# Altium PCB nrf52832_qfax_dcdc.PcbDoc (part 2 of 2)
Units mm, origin at the board's own origin, x right, y up, seen from the top; angles counter-clockwise.
Board outline 144.15 x 112 mm, 2 copper layers (Top Layer, Bottom Layer), stack 1.671 mm thick; 131 components, 103 nets, 479 pads, 710 vias.
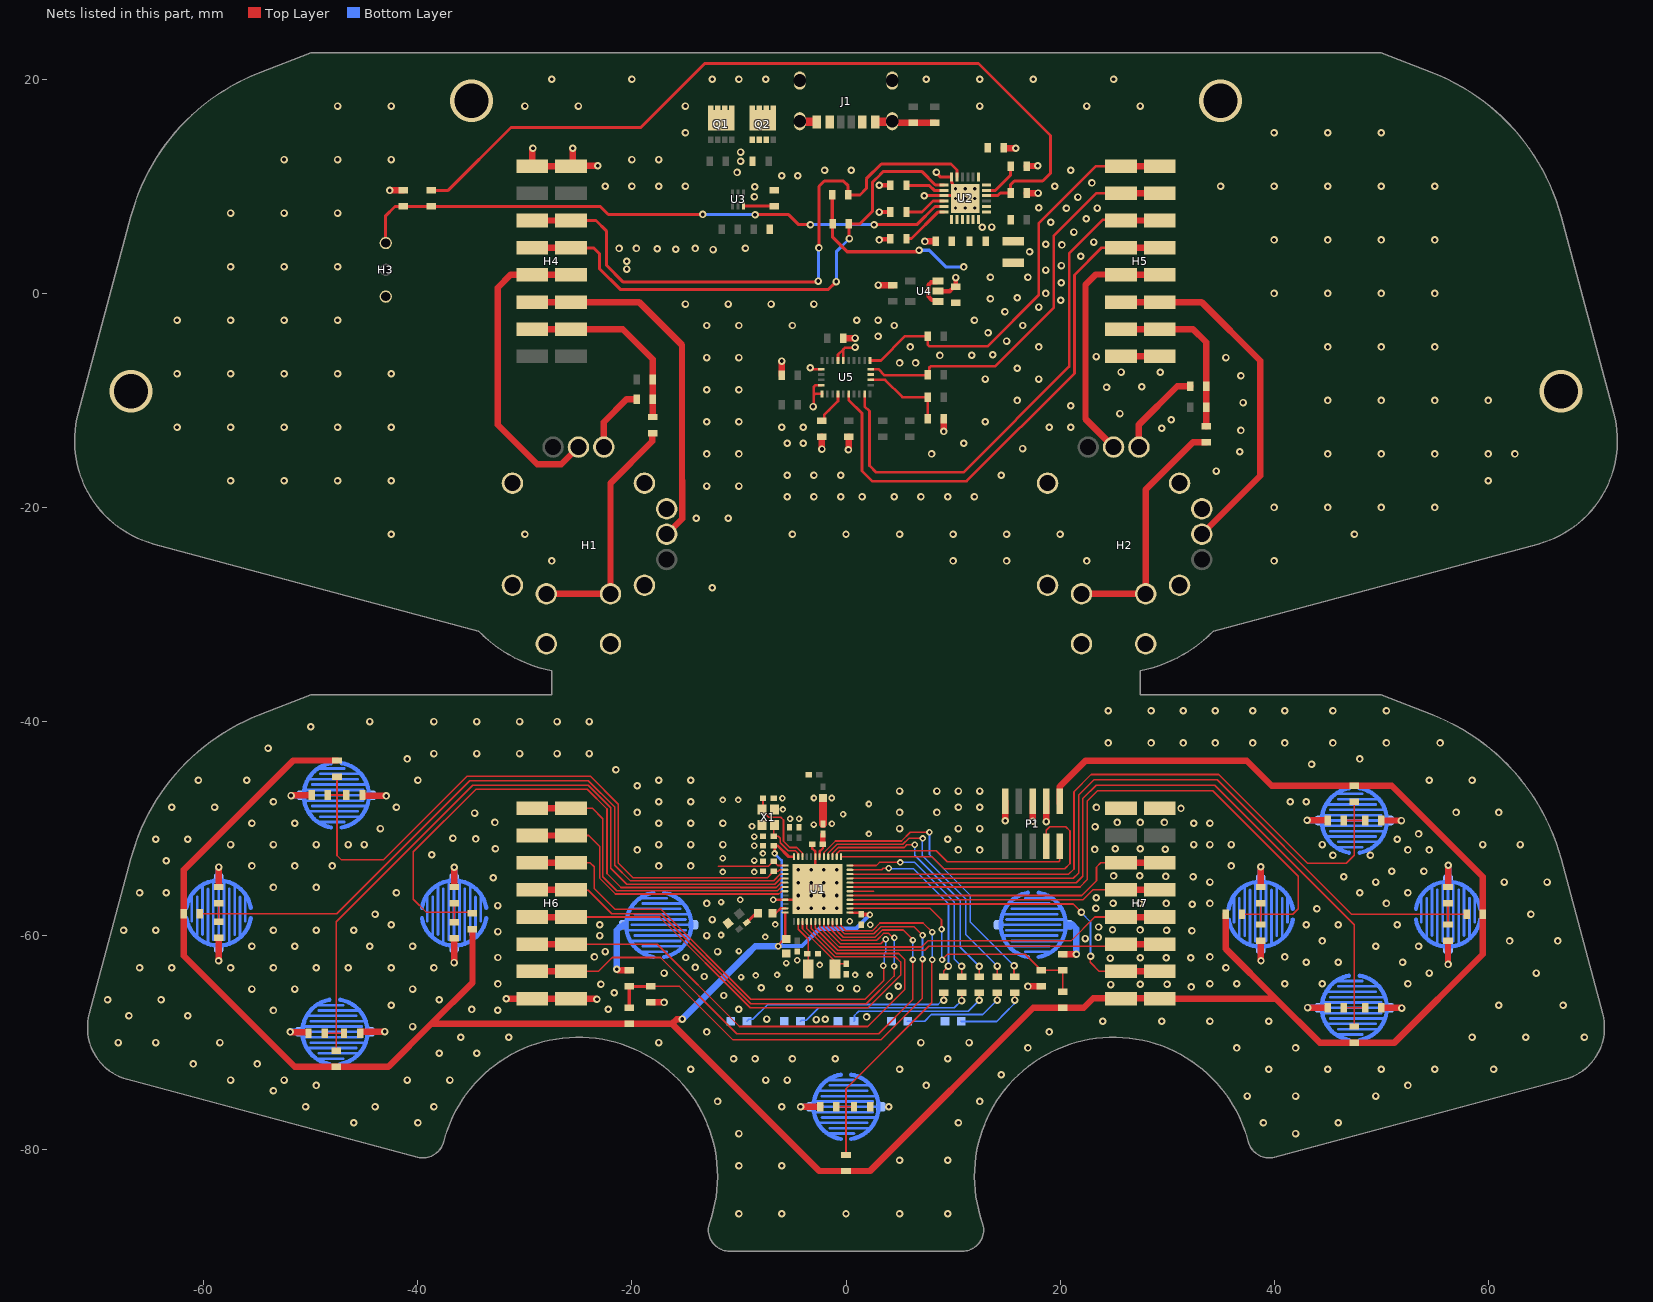
[diagram p2: the nets of this part, all layers, seen from the top]

## Via types
v1: diameter 0.7, hole 0.35, Top Layer to Bottom Layer, tented both sides, 623 vias
v2: diameter 0.61, hole 0.305, Top Layer to Bottom Layer, tented both sides, 58 vias
v3: diameter 0.66, hole 0.33, Top Layer to Bottom Layer, tented both sides, 16 vias
v4: diameter 0.4, hole 0.3, Top Layer to Bottom Layer, 9 vias
v5: diameter 4, hole 3.2, Top Layer to Bottom Layer, 4 vias

## Nets (pads, with @x,y where several pads share a name; then routed paths per layer and width w, separated by ;. In a path a pad name is that pad's centre, name@x,y a point inside that pad or via, vN(x,y) a via of type N, cw(c..) or ccw(c..) an arc to the next point about the centre after c; other vN are vias at no path point) (continued)
GND: C1.2 C2.2 C3.1 C4.2 C5.2 C6.1 C7.2 C8.2 C9.2 C10.1 C11.2 C12.2 C13.2 C14.2 C15.1 C16.1 C17.1 C18.1 C19.1 C20.1 C21.1 C22.1 C23.1 C24.1 C25.1 C26.1 C27.1 C28.1 C29.1 C32.1 C33.1 C34.1 C35.1 C37.1 C38.1 C39.1 C40.2 C41.1 C42.1 D1.2 D2.2 D3.2 D5.2 D7.2 H1.5 H2.5 H4.8 H5.1 H6.1 H7.8 J1.A12 J1.B12 J1.SHIELD P1.7 P1.8 P1.10 Q2.1 R36.1 R37.1 R41.1 R42.1 R43.1 R44.1 R46.1 R48.1 R55.1 SW1.1 SW2.1 SW3.1 SW4.1 SW5.1 SW6.1 SW7.1 SW8.1 SW9.1 SW10.1 SW11.1 U1.31 U1.45 U1.49 U2.6 U2.9 U2.17 U2.18 U2.25 U4.2 U5.2 U5.5 U5.6 U5.25 U5.26 X1.2 X1.4 | length 108.1
  Top Layer w0.229: v2@-6.801,-56.657 U1.45@-5.686,-56.657 U1.49@-4.861,-56.657 ; C3.1@-3.151,-51.458 -3.151,-51.871 -2.864,-52.158 U1.49@-2.864,-55.039
  Top Layer w0.25: C17.1@-58.625,-60.221 C17.1@-58.618,-60.214 ; v1(-3.35,-6.948) -3.228,-6.948 -3.101,-7.075 U5.2@-2.312,-7.075 ; v1(-3.075,-10.575) -3.025,-10.525 -3.025,-9.525 ; U5.5@-2.312,-8.575 -2.831,-8.575 -3.025,-8.769 -3.025,-9.525 ; U5.6@-2.25,-9.388 -2.888,-9.388 -3.025,-9.525 ; U5.26@-0.75,-6.263 -0.75,-5.725 -0.25,-5.225 ; U5.25@-0.25,-6.263 -0.25,-5.225 ; v1(0.85,-5.025) 0.8,-5.075 -0.1,-5.075 -0.25,-5.225
  Top Layer w0.28: v1(7.3,9.125) U2.9@9.164,9.125 U2.25@10.889,9.125 ; v1@8.575,11.125 8.841,10.859 U2.6@9.879,10.859 9.879,10.388 9.881,10.386 9.881,10.325 9.929,10.277 9.929,10.085 v4(10.239,9.775) U2.25@10.889,9.125 ; v4(11.139,8.875) U2.25@10.889,9.125
  Top Layer w0.4: v1(3.1,5) 3.15,5.05 4.1,5.05 R44.1@4.15,5.1 ; v1(3.1,7.6) R43.1@4.15,7.6 ; v1(3.1,10.1) R42.1@4.15,10.1 ; U4.2@8.6,0.211 9.7,0.211 10,0.511 10,0.536 10.1,0.636 C38.1@10.25,0.636 v1(10.25,1.475)
  Top Layer w0.6: v1(-58.625,-62.348) C17.1@-58.625,-60.214 ; C16.1@-45.403,-69.118 -45.403,-68.988 -43.118,-68.988 v1(-43.099,-68.969) ; C21.1@-45.177,-46.868 -45.177,-46.931 -42.969,-46.931 v1(-42.95,-46.95) ; v1(-42.625,9.625) -41.525,9.625 R41.1@-41.375,9.625 ; v1(-36.625,-62.525) -36.621,-62.522 -36.621,-60.24 C20.1@-36.618,-60.24 ; v1(-31.75,-65.9) -31.745,-65.895 -29.305,-65.895 H6.1@-29.3,-65.89 H6.1@-25.7,-65.89 -23.362,-65.89 -23.302,-65.95 v1(-23.275,-65.95) ; v1(-29.25,13.55) -29.25,13.523 -29.3,13.473 H4.8@-29.3,11.89 H4.8@-25.7,11.89 H4.8@-25.525,12.065 ; v1(-25.525,13.55) H4.8@-25.525,12.065 ; v1(-23.2,11.925) -23.217,11.907 -25.367,11.907 H4.8@-25.525,12.065 ; H1.5@-22.63,-14.36 -22.63,-12.03 -20.475,-9.875 C18.1@-19.6,-9.875 ; C24.1@-18.25,-66.25 v1(-17,-66.25) ; C41.1@-6,-7.65 v1@-6,-6.525 ; v1@-2.25,-14.4 C42.1@-2.25,-13.4 ; C40.2@-0.25,-4.175 v1@0.725,-4.175 ; v1(0.225,-14.6) 0.238,-14.587 0.238,-13.4 C39.1@0.25,-13.4 ; v1@3.075,0.775 C37.1@4.375,0.775 ; J1.SHIELD@4.32,16.08 4.45,15.95 R36.1@8.3,15.95 ; v1(7.375,4.85) 7.388,4.863 8.389,4.863 C34.1@8.389,4.875 ; v1@9.125,-12.725 R55.1@9.125,-11.7 ; C32.1@14.75,13.6 14.75,13.569 15.831,13.569 v1(15.85,13.55) ; v1(14.875,-49.275) 14.89,-49.26 P1.10@14.89,-47.463 ; C33.1@16.889,9.375 v1(17.95,9.375) ; C35.1@16.889,11.875 16.889,11.906 17.906,11.906 v1(17.925,11.925) ; v1(17,-64.75) C23.1@18.25,-64.75 ; P1.8@17.43,-47.463 17.43,-49.278 17.45,-49.298 v1(17.45,-49.325) ; v1(18.698,-49.347) 18.7,-49.346 P1.7@18.7,-47.463 ; v1(23.4,-48.025) v1@23.419,-48.044 ; H7.8@25.634,-48.044 H7.8@25.7,-48.11 ; H5.1@25.7,-5.89 H5.1@29.3,-5.89 ; H2.5@27.37,-14.36 27.37,-12.255 30.95,-8.675 C19.1@32.15,-8.675 ; H7.8@29.3,-48.11 H7.8@29.305,-48.105 ; C26.1@38.75,-60.465 38.763,-60.465 38.763,-62.338 v1(38.775,-62.35) ; C25.1@50,-66.75 50,-66.763 51.912,-66.763 v1(51.925,-66.775) ; C28.1@50,-49.25 v1(51.9,-49.25) ; v1(56.25,-62.7) C27.1@56.25,-60.465
  Top Layer w0.8: J1.SHIELD@-4.32,16.08 -4.28,16.04 -2.75,16.04 J1.A12@-2.75,16 ; J1.B12@2.75,16 2.75,16.04 4.28,16.04 J1.SHIELD@4.32,16.08
  Bottom Layer w0.6: SW2.1@-58.622,-61.148 SW2.1@-58.618,-61.144 ; SW1.1@-44.5,-69 SW1.1@-44.488,-68.987 ; SW4.1@-44.368,-46.894 SW4.1@-44.352,-46.909 ; SW3.1@-36.634,-61.16 SW3.1@-36.618,-61.144 ; SW10.1@56.237,-61.263 SW10.1@56.25,-61.25
  other v1: -10,-86 -6,-86 0,-86 5,-86 9.5,-86 -10,-81.5 -6,-81.5 5,-81 9.5,-81 -10,-78.5 42,-78.5 -46,-77.5 -40,-77.5 10.5,-77.5 39,-77.5 46,-77.5 -50.5,-76 -44,-76 -38.5,-76 -6,-76 4,-76 -12,-75.5 12.5,-75.5 37.5,-75 42,-75 49.5,-75 -53.5,-74.5 -49.5,-74 7.5,-74 52.5,-74 -57.5,-73.5 -52.5,-73.5 -41,-73.5 -37,-73.5 -7.5,-73.5 -5.5,-73.5 14.5,-73 -14.5,-72.5 5,-72.5 39.5,-72.5 45,-72.5 50,-72.5 55,-72.5 60.5,-72.5 -61,-72 -55,-72 -10.5,-71.5 -8.5,-71.5 -5,-71.5 -1,-71.5 9.5,-71.5 -38,-71 -34.5,-71 17,-70.5 36.5,-70.5 42,-70.5 -68,-70 -64.5,-70 -58.5,-70 -17.5,-70 7,-70 11.5,-70 -36,-69.5 -31.5,-69.5 58.5,-69.5 63.5,-69.5 69,-69.5 -13,-69 19,-69 -40.5,-68.5 24,-68 29.5,-68 34,-68 39.5,-68 -2.775,-67.85 -1.95,-67.825 -7.4,-67.8 1.925,-67.6 -67,-67.5 -61.5,-67.5 -53.5,-67 -32.55,-66.975 -34.975,-66.9 -22.225,-66.875 -10.025,-66.875 -42.5,-66.5 61,-66.5 67,-66.5 -69,-66 -64,-66 -38,-66 4.05,-65.65 -11.425,-65.6 -21.65,-65.35 -55.5,-65 -51.5,-65 -40.5,-65 -3.45,-64.975 1.025,-64.95 -5.3,-64.925 -0.55,-64.9 -7.925,-64.875 32.25,-64.8 4.875,-64.725 24.725,-64.575 -22.9,-64.55 27.5,-64.55 30,-64.55 -32.525,-64.525 34,-64.5 36.5,-64.5 41,-64.5 44.5,-64.5 52.5,-64.5 -13.25,-63.825 -17,-63.5 54.5,-63.5 64.5,-63.5 -66,-63 -63,-63 -57.5,-63 -53.5,-63 -49.5,-63 -46.5,-63 -42.5,-63 -38.5,-63 35.5,-63 -14.075,-62.975 43,-62.5 46,-62.5 52,-62.5 24.7,-62.1 27.5,-62.075 29.925,-62.075 32.2,-62.075 -32.525,-62.05 -14.975,-62.05 -23.5,-62 34,-62 41,-62 -22.5,-61.5 -12,-61.5 -55.5,-61 -51.5,-61 -44.5,-61 -40.5,-61 49.5,-61 53.5,-61 44.5,-60.5 62,-60.5 66.5,-60.5 22.35,-60.275 23.575,-60.175 -23,-60 -13,-60 -32.525,-59.625 32.325,-59.55 -67.5,-59.5 -64.5,-59.5 -53.5,-59.5 -49.5,-59.5 -46,-59.5 29.95,-59.5 27.475,-59.475 24.9,-59.45 23.6,-59.2 -42.5,-59 -23,-59 43,-59 46,-59 51.5,-59 -12.5,-58.5 -44,-58 64,-58 44,-57.5 23.35,-57.45 -32.55,-57.2 32.35,-57.075 -13,-57 29.925,-57 34,-57 50.5,-57 24.95,-56.975 27.45,-56.975 23.375,-56.475 -66,-56 -63.5,-56 -42,-56 48,-56 52.5,-56 -53.5,-55.5 -49.5,-55.5 34,-55 49.5,-55 61.5,-55 65.5,-55 -32.95,-54.6 32.425,-54.5 46.5,-54.5 29.875,-54.475 25,-54.425 27.45,-54.4 51,-54 54,-54 -55.5,-53.5 -51.5,-53.5 -48,-53.5 -17.5,-53.5 -14.5,-53.5 36,-53.5 -63.5,-53 45.5,-52.5 49,-52.5 -38.7,-52.45 -19.5,-52 10.5,-52 12.5,-52 52.5,-52 54.5,-52 23.25,-51.95 29.825,-51.925 -32.75,-51.9 25.15,-51.9 27.5,-51.9 -57.5,-51.5 -53.5,-51.5 -49.5,-51.5 -46.5,-51.5 -45,-51.5 -17.5,-51.5 -14.5,-51.5 -11.5,-51.5 32.5,-51.5 34,-51.5 36,-51.5 44.5,-51.5 59.5,-51.5 63,-51.5 -64.5,-51 -61.5,-51 9.5,-51 51.5,-51 -34.6,-50.975 -36.725,-50.9 53.5,-50.5 -43.5,-50 5,-50 10.5,-50 12.5,-50 23.275,-49.825 -55.5,-49.5 -51.5,-49.5 -17.5,-49.5 -14.5,-49.5 -11.5,-49.5 32.5,-49.5 34,-49.5 -32.8,-49.425 25.35,-49.425 27.5,-49.425 29.75,-49.425 -34.7,-48.55 -19.5,-48.5 5,-48.5 8.5,-48.5 57,-48.5 61,-48.5 31.3,-48.125 -63,-48 -59,-48 -42,-48 10.5,-48 12.5,-48 -53.5,-47.5 -17.5,-47.5 -14.5,-47.5 41.5,-47.5 43,-47.5 5,-46.5 8.5,-46.5 10.5,-46.5 12.5,-46.5 -19.5,-46 -60.5,-45.5 -56,-45.5 -40,-45.5 -17.5,-45.5 -14.5,-45.5 54.5,-45.5 58.5,-45.5 -21.5,-44.5 43.5,-44 -41,-43.5 48,-43.5 -38.5,-43 -34.5,-43 -30.5,-43 -27,-43 -24,-43 -54,-42.5 24.5,-42 28.5,-42 31.5,-42 34.5,-42 38,-42 41,-42 45.5,-42 50.5,-42 55.5,-42 -50,-40.5 -44.5,-40 -38.5,-40 -34.5,-40 -30.5,-40 -27,-40 -24,-40 24.5,-39 28.5,-39 31.5,-39 34.5,-39 38,-39 41,-39 45.5,-39 50.5,-39 -12.5,-27.5 -27.5,-25 10,-25 15,-25 22.5,-25 40,-25 -42.5,-22.5 -30,-22.5 -5,-22.5 0,-22.5 5,-22.5 10,-22.5 15,-22.5 20,-22.5 47.5,-22.5 -14,-21 -11,-21 40,-20 45,-20 50,-20 55,-20 -5.5,-19 -3,-19 -0.5,-19 1.5,-19 4.5,-19 7,-19 9.5,-19 12,-19 -13,-18 -10,-18 -57.5,-17.5 -52.5,-17.5 -47.5,-17.5 -42.5,-17.5 60,-17.5 -5.5,-17 -3,-17 -0.5,-17 14.5,-17 34.6,-16.6 -13,-15 -10,-15 8,-15 45,-15 50,-15 55,-15 60,-15 62.5,-15 36.8,-14.8 -2.25,-14.55 16.5,-14.5 -5.5,-14 -4,-14 11,-14 9.125,-12.9 36.9,-12.8 29.5,-12.6 -62.5,-12.5 -57.5,-12.5 -52.5,-12.5 -47.5,-12.5 -42.5,-12.5 -6,-12.5 -4,-12.5 19,-12.5 21,-12.5 -13,-12 -10,-12 13,-12 30.4,-11.8 25.6,-11.225 21,-10.5 37.1,-10.2 16,-10 45,-10 50,-10 55,-10 60,-10 -13,-9 -10,-9 24.35,-8.775 27.625,-8.725 13,-8 18,-8 36.9,-7.7 -62.5,-7.5 -57.5,-7.5 -52.5,-7.5 -47.5,-7.5 -42.5,-7.5 29.35,-7.375 25.7,-7.35 16,-7 5,-6.5 6.5,-6.5 -6,-6.325 -13,-6 -10,-6 35.5,-6 23.375,-5.9 8.775,-5.8 11.75,-5.775 13.7,-5.725 6,-5 18,-5 45,-5 50,-5 55,-5 15,-4.45 0.85,-4.175 3,-4 13.275,-3.675 -13,-3 -10,-3 -5,-3 4.5,-3 16.525,-3 -62.5,-2.5 -57.5,-2.5 -52.5,-2.5 -47.5,-2.5 1,-2.5 3,-2.5 12,-2.5 14.85,-1.725 18,-1.275 -15,-1 -11,-1 -7,-1 -3,-1 20.075,-0.65 13.5,-0.5 16,-0.4 18.675,0 40,0 45,0 50,0 55,0 3.025,0.775 20.1,1 13.5,1.5 17,1.5 18.675,2.175 -57.5,2.5 -52.5,2.5 -47.5,2.5 20.125,2.6 21.925,3.475 17.15,3.9 -12.425,4.1 -15.9,4.125 -17.625,4.175 -21.2,4.2 -19.575,4.2 -14.075,4.2 -9.4,4.225 20.175,4.525 18.675,4.6 23.15,4.8 40,5 45,5 50,5 55,5 21.3,5.725 12.725,6.175 13.625,6.2 19.125,6.65 22.45,6.975 -57.5,7.5 -52.5,7.5 -47.5,7.5 20.6,7.95 23.475,7.975 18,8 21.675,9 -8.55,9.025 -8.525,9.975 -22.5,10 -20,10 -17.5,10 -15,10 19.5,10 35,10 40,10 45,10 50,10 55,10 22.975,10.325 -6,11 -4.5,11 -10.175,11.3 8.45,11.325 -2,11.5 0.5,11.5 21,11.5 -9.85,12.35 -52.5,12.5 -47.5,12.5 -42.5,12.5 -20,12.5 -17.5,12.5 -9.85,13.2 -15,15 40,15 45,15 50,15 -47.5,17.5 -42.5,17.5 -30,17.5 -25,17.5 -15,17.5 12.5,17.5 22.5,17.5 27.5,17.5 -27.5,20 -20,20 -12.5,20 -10,20 -7.5,20 7.5,20 12.5,20 17.5,20 25,20
  other v2: -9.8,-63.875 -8.425,-63.725 -6.446,-63.683 0.844,-63.683 2.241,-63.683 -2.458,-62.744 -5.582,-62.566 -4.566,-62.312 -10.002,-61.448 -7.55,-60.125 -11.677,-59.948 2.267,-58.984 -6.603,-58.959 0.339,-58.654 -11.675,-56.875 -9.875,-56.657 -6.801,-56.648 -11.526,-54.057 -8.579,-54.057 -8.579,-52.99 -11.526,-52.787 -7.759,-52.33 -8.579,-51.618 -8.579,-50.755 2.14,-50.501 -8.783,-49.79 -3.011,-49.633 -1.315,-49.561 -5.226,-49.078 -4.388,-49.078 -0.273,-48.672 -5.892,-48.215 2.14,-47.707 -11.526,-47.326 -10.078,-47.326 -5.938,-47.173 -2.998,-47.148 -1.321,-47.148
  other v3: -4.461,-57.457 -3.261,-57.457 -2.061,-57.457 -0.861,-57.457 -4.461,-56.257 -3.261,-56.257 -2.061,-56.257 -0.861,-56.257 -4.461,-55.057 -3.261,-55.057 -2.061,-55.057 -0.861,-55.057 -4.461,-53.857 -3.261,-53.857 -2.061,-53.857 -0.861,-53.857
  other v4: 10.239,7.975 11.139,7.975 12.039,7.975 10.239,8.875 12.039,8.875 11.139,9.775 12.039,9.775
  other v5: -66.797,-9.141 66.797,-9.141 -35,18 35,18
H_CSN: U5.18
H_INTN: H5.6 U5.14 | length 50.3
  Top Layer w0.25: U5.14@1.75,-9.388 1.75,-10.55 2.2,-11 2.2,-16.1 2.825,-16.725 10.975,-16.725 20.85,-6.85 20.85,3.725 24.016,6.891 25.619,6.891 H5.6@25.7,6.81
  Top Layer w0.6: H5.6@25.7,6.81 H5.6@29.3,6.81
H_SCL: H5.7 R51.1 U5.19 | length 38.5
  Top Layer w0.25: U5.19@2.312,-7.075 2.548,-7.075 3.025,-7.075 3.6,-7.65 7.6,-7.65 7.777,-7.473 7.777,-6.946 7.923,-6.8 13.95,-6.8 19.4,-1.35 19.4,5.375 23.375,9.35 H5.7@25.7,9.35
  Top Layer w0.6: H5.7@25.7,9.35 H5.7@29.3,9.35
H_SDA: H5.8 R50.1 U5.20 | length 39.8
  Top Layer w0.25: U5.20@2.25,-6.263 3.262,-6.263 5.525,-4 R50.1@7.65,-4 7.65,-4.804 7.796,-4.95 13.225,-4.95 18,-0.175 18,6.525 23.365,11.89 H5.8@25.7,11.89
  Top Layer w0.6: H5.8@25.7,11.89 H5.8@29.3,11.89
ICHG: R43.2 U2.10 | length 3.9
  Top Layer w0.28: R43.2@5.65,7.6 7.1,7.6 8.125,8.625 U2.10@9.164,8.625
ILIM: R42.2 U2.8 | length 3.7
  Top Layer w0.28: R42.2@5.65,10.1 7.764,10.1 8.239,9.625 U2.8@9.164,9.625
L_SW: C18.2 H4.2 R6.1 R8.1 | length 17.8
  Top Layer w0.6: H4.2@-29.3,-3.35 H4.2@-25.7,-3.35 -20.85,-3.35 -18.05,-6.15 -18.05,-7.724 R6.1@-18.05,-8.05 C18.2@-18.05,-9.875 R8.1@-18.05,-11.55
L_X: H1.2 H4.4 | length 30
  Top Layer w0.6: H4.4@-25.7,1.73 H4.4@-29.3,1.73 -31.345,1.73 -32.55,0.525 -32.55,-12.275 -28.85,-15.975 -26.615,-15.975 H1.2@-25.158,-14.518 ; H1.2@-25.316,-14.36 H1.2@-25,-14.36
L_Y: H1.3 H4.3 | length 33.9
  Top Layer w0.6: H4.3@-29.3,-0.81 H4.3@-25.7,-0.81 -19.34,-0.81 -15.325,-4.825 -15.325,-17.5 -15.303,-17.522 -15.303,-21.048 H1.3@-16.755,-22.5
NetC3_2: C3.2 L1.1 U1.30 | length 2.2
  Top Layer w0.229: U1.30@-2.461,-52.632 -2.461,-52.157 -2.151,-51.847 C3.2@-2.151,-51.458
  Top Layer w0.508: C3.2@-2.156,-51.466 L1.1@-2.156,-50.569
NetC35_2: C35.2 U2.23 | length 3.7
  Top Layer w0.28: U2.23@13.114,9.625 13.964,9.625 15.354,11.015 15.354,11.84 C35.2@15.389,11.875
NetC42_2: C42.2 U5.9 | length 3.2
  Top Layer w0.25: C42.2@-2.25,-11.9 -2.221,-11.9 -2.046,-11.725 -2.046,-11.372 -1.575,-10.9 -0.75,-10.075 U5.9@-0.75,-9.388
NetD1_1: D1.1 R24.2 | length 6.7
  Top Layer w0.152: v1(15.775,-66.025) 15.775,-65.4 15.8,-65.375 R24.2@15.775,-65.35
  Bottom Layer w0.152: D1.1@10.75,-68 10.775,-68.025 14.075,-68.025 14.887,-67.213 15.698,-66.402 15.698,-66.102 v1(15.775,-66.025)
NetD2_1: D2.1 R25.2 | length 9.9
  Top Layer w0.152: v1(14.125,-66.025) R25.2@14.125,-65.35
  Bottom Layer w0.152: D2.1@5.75,-68 7.35,-68 7.978,-67.372 12.778,-67.372 v1(14.125,-66.025)
NetD3_1: D3.1 R28.2 | length 13.5
  Top Layer w0.152: v1(12.45,-66.05) R28.2@12.45,-65.35
  Bottom Layer w0.152: D3.1@0.75,-68 0.789,-67.961 0.789,-67.461 1.183,-67.067 11.433,-67.067 v1(12.45,-66.05)
NetD5_1: D5.1 R32.2 | length 16.6
  Top Layer w0.152: v1(10.8,-66.075) R32.2@10.8,-65.35
  Bottom Layer w0.152: D5.1@-4.25,-68 -4.161,-67.911 -3.711,-67.911 -2.55,-66.75 10.125,-66.75 v1(10.8,-66.075)
NetD7_1: D7.1 R34.2 | length 19.9
  Top Layer w0.152: v1(9.125,-66.05) R34.2@9.125,-65.375
  Top Layer w0.3: R34.2@9.125,-65.375 R34.2@9.15,-65.35
  Bottom Layer w0.152: D7.1@-9.25,-68 -9.075,-67.825 -8.7,-67.825 -7.325,-66.45 -0.944,-66.45 -0.94,-66.446 8.591,-66.446 8.987,-66.05 v1(9.125,-66.05)
NetH1_4: H1.4 R8.2 | length 22.7
  Top Layer w0.6: H1.4@-28,-28.07 H1.4@-22,-28.07 -22,-17.725 -18.099,-13.824 -18.099,-13.05 R8.2@-18.05,-13.05
NetH2_4: H2.4 R9.2 | length 23.2
  Top Layer w0.6: H2.4@22,-28.07 27.705,-28.07 27.725,-28.05 27.745,-28.07 H2.4@28,-28.07 28,-18.325 32.425,-13.9 R9.2@33.65,-13.9
NetL2_1: L2.1 L3.2 | length 1.4
  Top Layer w0.279: L3.2@-9.262,-58.78 -8.399,-57.918 L2.1@-8.218,-57.918
NetL2_2: L2.2 U1.47 | length 1.4
  Top Layer w0.229: L2.2@-6.868,-57.918 -6.566,-57.918 -6.106,-57.457 U1.47@-5.686,-57.457
NetQ1_5: Q1.5 Q2.5
NetR4_1: R4.1 SW1.2 | length 2.7
  Top Layer w0.6: v1(-51.925,-69) -51.906,-69.019 -50.222,-69.019 R4.1@-50.222,-69.118
  Bottom Layer w0.6: v1(-51.925,-69) SW1.2@-51,-69
NetR5_1: R5.1 SW2.2 | length 2.9
  Top Layer w0.6: R5.1@-58.618,-55.464 -58.609,-55.464 -58.609,-53.609 v1(-58.6,-53.6)
  Bottom Layer w0.6: SW2.2@-58.618,-54.644 -58.609,-54.635 -58.609,-53.609 v1(-58.6,-53.6)
NetR12_1: R12.1 SW3.2 | length 2.9
  Top Layer w0.6: R12.1@-36.618,-55.463 -36.609,-55.463 -36.609,-53.634 v1(-36.6,-53.625)
  Bottom Layer w0.6: SW3.2@-36.618,-54.644 -36.609,-54.635 -36.609,-53.634 v1(-36.6,-53.625)
NetR13_1: R13.1 SW4.2 | length 3
  Top Layer w0.6: v1(-51.85,-46.925) -51.831,-46.906 -49.92,-46.906 R13.1@-49.92,-46.868
  Bottom Layer w0.6: v1(-51.85,-46.925) -51.835,-46.909 -50.883,-46.909 SW4.2@-50.868,-46.894
NetR17_1: R17.1 SW5.2 | length 2.8
  Top Layer w0.6: v1(-4.25,-76) R17.1@-2.411,-76
  Bottom Layer w0.6: v1(-4.25,-76) SW5.2@-3.25,-76
NetR18_1: R18.1 SW6.2 | length 4.8
  Top Layer w0.6: R18.1@20.25,-61.75 v1(21.525,-61.75)
  Bottom Layer w0.6: SW6.2@20.9,-59.15 SW6.2@20.75,-59 21.174,-59 21.525,-59.351 v1(21.525,-61.75)
NetR19_1: R19.1 SW7.2 | length 5.7
  Top Layer w0.6: v1(-21.425,-63.15) -21.398,-63.15 -21.298,-63.25 R19.1@-20.25,-63.25
  Bottom Layer w0.6: v1(-21.425,-63.15) -21.425,-59.501 -21.074,-59.15 -20.9,-59.15 SW7.2@-20.75,-59
NetR22_1: R22.1 SW8.2 | length 3
  Top Layer w0.6: v1(43.125,-66.725) 43.138,-66.738 45,-66.738 R22.1@45,-66.75
  Bottom Layer w0.6: v1(43.125,-66.725) 43.138,-66.738 44.238,-66.738 SW8.2@44.25,-66.75
NetR23_1: R23.1 SW9.2 | length 3.1
  Top Layer w0.6: R23.1@38.75,-55.465 v1(38.75,-53.575)
  Bottom Layer w0.6: SW9.2@38.75,-54.75 v1(38.75,-53.575)
NetR30_1: R30.1 SW10.2 | length 3.4
  Top Layer w0.6: R30.1@56.25,-55.465 56.262,-55.465 56.262,-53.438 v1(56.275,-53.425)
  Bottom Layer w0.6: SW10.2@56.25,-54.75 56.262,-54.738 56.262,-53.438 v1(56.275,-53.425)
NetR31_1: R31.1 SW11.2 | length 3.1
  Top Layer w0.6: v1(43.075,-49.225) 43.088,-49.237 45,-49.237 R31.1@45,-49.25
  Bottom Layer w0.6: v1(43.075,-49.225) 43.088,-49.238 44.238,-49.238 SW11.2@44.25,-49.25
NRST: H5.5 U5.11 | length 50.4
  Top Layer w0.25: U5.11@0.25,-9.388 0.25,-9.95 1.5,-11.2 1.5,-16.6 2.45,-17.55 11.275,-17.55 21.35,-7.475 21.35,1.725 23.895,4.27 H5.5@25.7,4.27
  Top Layer w0.6: H5.5@25.7,4.27 H5.5@29.3,4.27
P0.00/XL1: C11.1 U1.2 X2.1 | length 4.8
  Top Layer w0.152: U1.2@-4.461,-58.682 -4.461,-59.409 -3.53,-60.34 X2.1@-3.53,-63.125
P0.01/XL2: C12.1 U1.3 X2.2 | length 7
  Top Layer w0.152: U1.3@-4.061,-58.682 -4.061,-59.378 -1.03,-62.409 X2.2@-1.03,-63.125 -0.53,-62.625 C12.1@0.031,-62.625
P0.02/AIN0: H6.4 U1.4 | length 51.1
  Top Layer w0.152: H6.4@-24.905,-58.27 -17.43,-58.27 -8.95,-66.75 2.05,-66.75 5.1,-63.7 5.1,-62.475 4.607,-61.982 2.567,-61.982 -1.025,-61.982 -3.661,-59.346 U1.4@-3.661,-58.682
  Top Layer w0.6: H6.4@-29.3,-58.27 H6.4@-25.7,-58.27 H6.4@-24.905,-58.27
P0.03/AIN1: H6.3 U1.5 | length 52.8
  Top Layer w0.152: H6.3@-25.187,-60.81 -17.64,-60.81 -9.95,-68.5 2.025,-68.5 5.475,-65.05 5.475,-62.225 4.926,-61.676 2.567,-61.676 -0.899,-61.676 -3.261,-59.314 U1.5@-3.261,-58.682
  Top Layer w0.6: H6.3@-29.3,-60.81 H6.3@-25.7,-60.81 H6.3@-25.187,-60.81
P0.04/AIN2: H7.3 U1.6 | length 33.9
  Top Layer w0.152: U1.6@-2.861,-58.682 -2.861,-59.282 -0.772,-61.371 2.567,-61.371 7.354,-61.371 7.725,-61 25.51,-61 H7.3@25.7,-60.81
  Top Layer w0.6: H7.3@25.7,-60.81 H7.3@29.3,-60.81
P0.05/AIN3: H7.4 U1.7 | length 34.2
  Top Layer w0.152: U1.7@-2.461,-58.682 -2.461,-59.248 -0.645,-61.063 2.638,-61.063 7.087,-61.063 7.65,-60.5 21.015,-60.5 23.245,-58.27 H7.4@25.7,-58.27
  Top Layer w0.6: H7.4@25.7,-58.27 H7.4@29.3,-58.27
P0.06: H6.6 U1.8 | length 51.1
  Top Layer w0.152: H6.6@-25.7,-53.19 -23.91,-53.19 -23.525,-53.575 -23.525,-55.6 -21.575,-57.55 -17.295,-57.55 -8.895,-65.95 1.775,-65.95 3.525,-64.2 3.525,-62.875 v2(3.475,-62.825) ; U1.8@-2.061,-58.682 -2.061,-59.216 -0.519,-60.759 2.567,-60.759 3.246,-60.759 3.666,-60.339 v2(3.714,-60.339)
  Top Layer w0.6: H6.6@-29.3,-53.19 H6.6@-25.7,-53.19
  Bottom Layer w0.152: v2(3.475,-62.825) 3.563,-62.737 3.563,-61.712 3.714,-61.561 v2(3.714,-60.339)
P0.07: H6.5 U1.9 | length 50.5
  Top Layer w0.152: H6.5@-25.7,-55.73 -25.661,-55.769 -24.081,-55.769 -21.884,-57.966 -17.309,-57.966 -8.9,-66.375 1.9,-66.375 4.491,-63.784 v2(4.491,-62.859) ; U1.9@-1.661,-58.682 -1.661,-59.185 -0.393,-60.454 2.844,-60.454 2.92,-60.378 3.498,-59.8 4.001,-59.8 4.401,-60.2 v2(4.525,-60.2)
  Top Layer w0.6: H6.5@-29.3,-55.73 H6.5@-25.7,-55.73
  Bottom Layer w0.152: v2(4.491,-62.859) v2@4.491,-60.218
P0.08: H6.2 U1.10 | length 54.9
  Top Layer w0.152: H6.2@-25.7,-63.35 -23.15,-63.35 -21.85,-62.05 -17.325,-62.05 -10.204,-69.171 3.054,-69.171 6.25,-65.975 v2(6.25,-62.238) v2@6.25,-62.219 ; U1.10@-1.261,-58.682 -1.261,-59.154 -0.266,-60.149 2.718,-60.149 3.388,-59.48 5.355,-59.48 5.778,-59.903 6.25,-60.375 v2(6.25,-60.425)
  Top Layer w0.6: H6.2@-29.3,-63.35 H6.2@-25.7,-63.35
  Bottom Layer w0.152: v2(6.25,-62.238) v2@6.25,-60.5
P0.09: C24.2 R16.1 R19.2 U1.11 | length 48.2
  Top Layer w0.152: C24.2@-18.25,-64.75 -15.55,-64.75 -10.55,-69.75 3.25,-69.75 7.125,-65.875 v2@7.125,-62.182 ; U1.11@-0.861,-58.682 -0.861,-59.123 -0.14,-59.844 2.592,-59.844 3.261,-59.175 5.267,-59.175 6.35,-59.175 v2(7.15,-59.975)
  Top Layer w0.3: R16.1@-20.25,-66.75 R19.2@-20.25,-64.75 C24.2@-18.25,-64.75
  Bottom Layer w0.152: v2@7.125,-60.125 7.15,-60.15 v2(7.15,-62.2)
P0.10: C22.2 R14.1 R17.2 U1.12 | length 35.4
  Top Layer w0.152: R17.2@-0.911,-76 0,-76 ; U1.12@-0.461,-58.682 -0.461,-59.092 -0.014,-59.539 2.461,-59.539 2.482,-59.518 2.488,-59.518 3.18,-58.825 5.222,-58.825 7.2,-58.825 v2(8.05,-59.675) ; R14.1@0,-80.5 0,-76 ; C22.2@0.75,-76 0,-76 ; v2@8.025,-62.268 8.025,-66.275 0,-74.3 0,-76
  Bottom Layer w0.152: v2(8.05,-62.25) v2@8.05,-59.8
P0.11: C23.2 R15.1 R18.2 U1.14 | length 26.9
  Top Layer w0.152: U1.14@0.364,-57.457 2.571,-57.457 7.857,-57.457 8.344,-57.944 8.763,-58.363 8.925,-58.526 v2(8.925,-59.4) ; v2(8.975,-62.25) 9.475,-61.75 16.75,-61.75 C23.2@18.25,-63.25 18.4,-63.25 R18.2@20.25,-63.25 R15.1@20.25,-65.25
  Bottom Layer w0.152: v2(8.925,-59.4) 8.95,-59.425 8.95,-62.225 v2(8.975,-62.25)
P0.12: H7.2 U1.15 | length 34
  Top Layer w0.152: U1.15@0.364,-57.057 2.571,-57.057 21.232,-57.057 v1(22,-57.825) ; v1@22.8,-61.75 22.825,-61.775 22.825,-62.5 23.675,-63.35 H7.2@25.7,-63.35
  Top Layer w0.6: H7.2@25.7,-63.35 H7.2@29.3,-63.35
  Bottom Layer w0.152: v1@21.975,-57.85 22.85,-58.725 v1(22.85,-61.925)
P0.13: H7.5 U1.16 | length 29.3
  Top Layer w0.152: U1.16@0.364,-56.657 2.571,-56.657 22.143,-56.657 23.07,-55.73 H7.5@25.7,-55.73
  Top Layer w0.6: H7.5@25.7,-55.73 H7.5@29.3,-55.73
P0.14: H7.6 U1.17 | length 31
  Top Layer w0.152: U1.17@0.364,-56.257 2.571,-56.257 22.018,-56.257 23.4,-54.875 23.4,-53.6 23.81,-53.19 H7.6@25.7,-53.19
  Top Layer w0.6: H7.6@25.7,-53.19 H7.6@29.3,-53.19
P0.15: U1.18 | length 2.2
  Top Layer w0.152: U1.18@0.364,-55.857 2.571,-55.857
P0.16: C26.2 R21.1 R23.2 U1.19 | length 63.7
  Top Layer w0.152: U1.19@0.364,-55.457 2.571,-55.457 21.863,-55.457 22.525,-54.795 22.525,-47.45 23.5,-46.475 34.275,-46.475 42.25,-54.45 42.25,-57.5 41.75,-58 38.75,-58 ; R21.1@37,-58 38.75,-58 ; C26.2@38.75,-58.965 38.75,-58 ; R23.2@38.75,-56.965 38.75,-58
P0.17: C25.2 R20.1 R22.2 U1.20 | length 72.1
  Top Layer w0.152: U1.20@0.364,-55.057 2.571,-55.057 21.518,-55.057 22.125,-54.45 22.125,-47.2 23.375,-45.95 34.45,-45.95 47.5,-59 47.5,-66.75 ; R22.2@46.5,-66.75 47.5,-66.75 ; R20.1@47.5,-68.5 47.5,-66.75 ; C25.2@48.5,-66.75 47.5,-66.75
P0.18: C27.2 R26.1 R30.2 U1.21 | length 72.9
  Top Layer w0.152: U1.21@0.364,-54.657 2.571,-54.657 21.243,-54.657 21.75,-54.15 21.75,-46.875 23.175,-45.45 34.675,-45.45 47.225,-58 56.25,-58 ; C27.2@56.25,-58.965 56.25,-58 ; R30.2@56.25,-56.965 56.25,-58 ; R26.1@58,-58 56.25,-58
P0.19: C28.2 R27.1 R31.2 U1.22 | length 66
  Top Layer w0.152: U1.22@0.364,-54.257 2.571,-54.257 20.818,-54.257 21.3,-53.775 21.3,-46.55 22.9,-44.95 34.825,-44.95 43.125,-53.25 46.75,-53.25 47.5,-52.5 47.5,-49.25 ; R31.2@46.5,-49.25 47.5,-49.25 ; R27.1@47.5,-47.5 47.5,-49.25 ; C28.2@48.5,-49.25 47.5,-49.25
P0.20: R34.1 U1.23 | length 17.7
  Top Layer w0.152: U1.23@0.364,-53.857 2.571,-53.857 3.334,-53.857 3.467,-53.724 3.976,-53.724 v2(4,-53.7) ; R34.1@9.15,-63.85 9.15,-63.275 v1(9.575,-62.85)
  Bottom Layer w0.152: v2(4,-53.7) 4.049,-53.749 4.533,-53.749 4.534,-53.75 6.3,-53.75 9.575,-57.025 v1(9.575,-62.85)
P0.21: R32.1 U1.24 | length 18.7
  Top Layer w0.152: U1.24@0.364,-53.457 2.571,-53.457 2.843,-53.457 3.134,-53.166 v2(5.075,-53.166) ; R32.1@10.8,-63.85 v1(10.8,-62.875)
  Bottom Layer w0.152: v2(5.075,-53.166) 6.416,-53.166 10.1,-56.85 10.1,-62.175 v1(10.8,-62.875)
P0.22: R28.1 U1.27 | length 23.2
  Top Layer w0.152: U1.27@-1.261,-52.632 -1.261,-52.308 -0.727,-51.774 3.05,-51.774 ; 3.05,-51.774 5.432,-51.774 5.68,-51.525 v2(6.425,-51.525) ; R28.1@12.45,-63.85 v1(12.45,-62.875)
  Bottom Layer w0.152: v2(6.425,-51.525) 6.425,-52.5 10.675,-56.75 10.675,-61.1 v1(12.45,-62.875)
P0.23: R25.1 U1.28 | length 25.6
  Top Layer w0.152: U1.28@-1.661,-52.632 -1.661,-52.277 -0.85,-51.466 3.147,-51.466 5.309,-51.466 5.85,-50.925 v2(7.175,-50.925) ; R25.1@14.125,-63.85 v1(14.125,-62.85)
  Bottom Layer w0.152: v2(7.175,-50.925) 7.125,-50.975 7.125,-52.525 11.175,-56.575 11.175,-59.9 v1(14.125,-62.85)
P0.24: R24.1 U1.29 | length 27.8
  Top Layer w0.152: U1.29@-2.061,-52.632 -2.061,-52.246 -0.976,-51.161 2.571,-51.161 5.183,-51.161 5.995,-50.35 v2(7.8,-50.35) ; v1(15.7,-62.825) 15.7,-63.775 R24.1@15.775,-63.85
  Bottom Layer w0.152: v2(7.8,-50.35) 7.8,-52.425 11.625,-56.25 11.625,-58.75 v1(15.7,-62.825)
P0.25: C13.1 U1.37 | length 6.6
  Top Layer w0.152: -11.932,-53.523 -7.241,-53.523 C13.1@-6.78,-53.062 ; C13.1@-6.759,-53.041 C13.1@-6.78,-53.062 ; U1.37@-5.686,-53.457 -6.385,-53.457 C13.1@-6.78,-53.062
P0.26: C14.1 C21.2 R11.1 R13.2 U1.38 | length 61.9
  Top Layer w0.152: R13.2@-48.42,-46.868 -47.554,-46.868 ; R11.1@-47.554,-45.144 -47.554,-46.868 ; C21.2@-46.677,-46.868 -47.554,-46.868 ; U1.38@-5.686,-53.857 -6.195,-53.857 -6.344,-54.006 -6.809,-54.006 -6.982,-54.18 -6.982,-54.23 -7.343,-54.59 -19.91,-54.59 -21.271,-53.229 -21.271,-47.729 -23.9,-45.1 -35.4,-45.1 -43.2,-52.9 -47.175,-52.9 -47.554,-52.521 -47.554,-46.868
P0.27: C17.2 R3.1 R5.2 U1.39 | length 68.9
  Top Layer w0.152: R3.1@-60.368,-57.964 -58.618,-57.964 ; C17.2@-58.618,-58.714 -58.618,-57.964 ; R5.2@-58.618,-56.964 -58.618,-57.964 ; U1.39@-5.686,-54.257 -6.136,-54.257 -6.754,-54.875 -7.196,-54.875 -7.216,-54.895 -11.944,-54.895 -20.13,-54.895 -21.6,-53.425 -21.6,-47.995 -24.07,-45.525 -35.15,-45.525 -47.589,-57.964 -58.618,-57.964
P0.28/AIN4: C16.2 R2.1 R4.2 U1.40 | length 68.5
  Top Layer w0.152: R4.2@-48.722,-69.118 -47.632,-69.118 ; R2.1@-47.632,-70.75 -47.632,-69.118 ; C16.2@-46.903,-69.118 -47.632,-69.118 ; U1.40@-5.686,-54.657 -6.105,-54.657 -6.648,-55.2 -11.932,-55.2 -20.475,-55.2 -21.975,-53.7 -21.975,-48.05 -24.075,-45.95 -34.875,-45.95 -47.632,-58.707 -47.632,-69.118
P0.29/AIN5: C20.2 R10.1 R12.2 U1.41 | length 56.9
  Top Layer w0.152: C20.2@-36.618,-58.74 -36.618,-57.836 ; R12.2@-36.618,-56.963 -36.618,-57.836 ; R10.1@-34.869,-57.836 -36.618,-57.836 ; U1.41@-5.686,-55.057 -6.074,-55.057 -6.522,-55.505 -11.932,-55.505 -21.02,-55.505 -22.325,-54.2 -22.325,-48.175 -24.175,-46.325 -34.575,-46.325 -40.425,-52.175 -40.425,-56.6 -39.189,-57.836 -36.618,-57.836
P0.30/AIN6: H6.8 U1.42 | length 30.1
  Top Layer w0.152: H6.8@-25.7,-48.11 -23.69,-48.11 -22.721,-49.079 -22.721,-54.499 -21.41,-55.809 -11.932,-55.809 -6.395,-55.809 -6.043,-55.457 U1.42@-5.686,-55.457
  Top Layer w0.6: H6.8@-29.3,-48.11 H6.8@-25.7,-48.11
P0.31/AIN7: H6.7 U1.43 | length 27.7
  Top Layer w0.152: H6.7@-25.7,-50.65 -24.025,-50.65 -23.025,-51.65 -23.025,-54.625 -21.536,-56.114 -11.932,-56.114 -6.269,-56.114 -6.012,-55.857 U1.43@-5.686,-55.857
  Top Layer w0.6: H6.7@-29.3,-50.65 H6.7@-25.7,-50.65
PACK+: C34.2 H3.3 R45.2 U2.13 U2.14
  other v1: -20.475,2.275 -20.475,3
PG: H4.5 R39.1 U2.7 | length 50.1
  Top Layer w0.28: H4.5@-25.7,4.27 -25.694,4.264 -23.589,4.264 -23.05,3.725 -23.05,2.325 -21.1,0.375 -1.625,0.375 v1(-0.9,1.1) ; v1(0.325,5.125) 0.288,5.163 0.288,6.462 R39.1@0.25,6.5 1.3,6.5 2.458,7.658 2.458,10.366 2.834,10.742 2.842,10.742 3.5,11.4 7.076,11.4 8.351,10.125 U2.7@9.164,10.125
  Top Layer w0.6: H4.5@-29.3,4.27 H4.5@-25.7,4.27
  Bottom Layer w0.28: v1(-0.9,1.1) -0.9,3.9 v1(0.325,5.125)
R_SW: C19.2 H5.2 R7.1 R9.1 | length 16.1
  Top Layer w0.6: H5.2@25.7,-3.35 H5.2@29.3,-3.35 32.425,-3.35 33.65,-4.575 C19.2@33.65,-8.675 ; R9.1@33.65,-12.4 C19.2@33.65,-8.875
R_X: H2.2 H5.4 | length 23.6
  Top Layer w0.6: H2.2@25,-14.36 22.375,-11.735 22.375,0.8 23.34,1.765 25.665,1.765 H5.4@25.7,1.73 H5.4@29.3,1.73
R_Y: H2.3 H5.3 | length 33.8
  Top Layer w0.6: H5.3@25.619,-0.891 H5.3@25.7,-0.81 H5.3@29.3,-0.81 33.21,-0.81 38.7,-6.3 38.7,-17.045 H2.3@33.245,-22.5
REGN: C33.2 R40.2 U2.22 | length 76.4
  Top Layer w0.28: R40.2@-38.75,9.625 -37.175,9.625 -31.3,15.5 -19.175,15.5 -13.2,21.475 12.375,21.475 19.1,14.75 19.1,11.225 18.375,10.5 15.725,10.5 15.389,10.164 C33.2@15.389,9.375 14.414,9.375 14.164,9.125 U2.22@13.114,9.125
RF: L1.2 pad.0 R1.1 | length 2.4
  Top Layer w0.762: L1.2@-2.159,-49.561 pad.0@-2.159,-47.148
SA0: R54.1 R55.2 U5.17 | length 8
  Top Layer w0.25: U5.17@2.312,-8.075 3.65,-8.075 5.275,-9.7 R54.1@7.65,-9.7 7.638,-9.713 7.638,-11.688 R55.2@7.625,-11.7
STAT: H4.6 R38.1 U2.5 | length 56.7
  Top Layer w0.28: H4.6@-26.1,6.81 H4.6@-25.7,6.81 -23.36,6.81 -22.4,5.85 -22.4,2.65 -20.8,1.05 -2.974,1.05 -2.954,1.07 -2.68,1.07 v1(-2.6,1.15) ; v1@-2.475,4.275 -2.525,4.325 -2.525,10 -2.025,10.5 -0.25,10.5 0.2,10.05 R38.1@0.2,9.2 1.3,9.2 1.9,9.8 1.9,10.7 3.3,12.1 9.8,12.1 10.379,11.521 U2.5@10.379,10.859
  Top Layer w0.6: H4.6@-29.3,6.81 H4.6@-26.1,6.81
  Bottom Layer w0.28: v1(-2.6,1.15) -2.562,1.188 -2.562,4.212 v1(-2.525,4.25)
SW: C31.2 L4.1 U2.19 U2.20
SWDCLK: P1.4 U1.25 | length 29.1
  Top Layer w0.152: U1.25@-0.461,-52.632 8.032,-52.632 9.15,-53.75 20.45,-53.75 20.925,-53.275 20.925,-50.225 20.525,-49.825 19.025,-49.825 18.7,-50.15 P1.4@18.7,-51.663
SWDIO: P1.5 U1.26 | length 22.9
  Top Layer w0.152: U1.26@-0.861,-52.632 -0.861,-52.342 -0.597,-52.078 8.425,-52.078 9.447,-53.1 19.881,-53.1 19.97,-53.011 P1.5@19.97,-51.825
SYS: C29.2 C38.2 L4.2 R38.2 R39.2 U2.15 U2.16 U4.1 U4.3 | length 20.3
  Top Layer w0.3: R38.2@-1.3,9.2 -1.275,9.175 -1.275,6.525 R39.2@-1.25,6.5 -1.25,5.25 0.1,3.9 v1@6.65,3.9
  Top Layer w0.4: U4.1@8.47,-0.609 8.009,-0.609 7.7,-0.3 7.7,0.797 7.934,1.031 8.47,1.031 U4.3@8.6,1.161
  Bottom Layer w0.3: v1(6.825,4.025) 7.775,4.025 9.325,2.475 v1(11,2.475)
TS: H3.1 R40.1 R41.2 U2.11 | length 56.4
  Top Layer w0.28: H3.1@-43,4.7 -43.047,4.747 -43.047,7.215 -42.136,8.125 R41.2@-41.375,8.125 ; R41.2@-41.25,8.1 -22.932,8.1 -22.207,7.375 v1(-13.375,7.375) ; v1@-8.45,7.35 -5.35,7.35 -4.425,6.425 v1(-3.327,6.425) ; v1(2.625,6.425) 6.619,6.425 8.319,8.125 U2.11@9.164,8.125
  Bottom Layer w0.28: v1(-13.375,7.375) -13.363,7.362 -8.513,7.362 v1(-8.5,7.35) ; v1@-3.375,6.425 v1(-3.327,6.425) v1(2.625,6.425)
V-: R46.2 U3.6 | length 2.9
  Top Layer w0.28: U3.6@-9.586,8.2 -9.586,8.162 -6.749,8.162 R46.2@-6.711,8.125
VBUS: C32.2 J1.A9 J1.B9 U2.1 U2.24
VDD_nRF: C5.1 C8.1 C9.1 H7.1 P1.6 R2.2 R3.2 R10.2 R11.2 R14.2 R15.2 R16.2 R20.2 R21.2 R26.2 R27.2 U1.13 U1.36 U1.48 | length 285.8
  Top Layer w0.152: C5.1@1.284,-57.857 C5.1@1.428,-58.002
  Top Layer w0.229: v2(-6.338,-60.987) -6.338,-60.904 -5.746,-60.312 -5.661,-60.227 U1.48@-5.661,-57.867 ; U1.13@0.364,-57.857 C5.1@1.284,-57.857
  Top Layer w0.254: C8.1@-6.759,-51.618 C8.1@-6.657,-51.618 ; v2(-6.674,-52.33) -6.657,-52.312 C8.1@-6.657,-51.618 ; U1.36@-4.888,-52.634 -5.349,-52.634 -6.365,-51.618 C8.1@-6.657,-51.618
  Top Layer w0.381: C9.1@-5.746,-60.312 C9.1@-5.576,-60.312 ; C5.1@1.428,-58.002 1.45,-58.023 2.22,-58.023 v2(2.241,-58.045)
  Top Layer w0.6: R11.2@-47.554,-43.644 -51.644,-43.644 -61.868,-53.868 R3.2@-61.868,-57.964 -61.868,-61.882 -51.5,-72.25 R2.2@-47.632,-72.25 -42.75,-72.25 -38.75,-68.25 ; R10.2@-34.975,-59.425 R10.2@-34.925,-59.425 -34.9,-59.425 -34.9,-64.4 -38.75,-68.25 ; v1(-15.3,-67.8) -15.319,-67.819 -15.819,-67.819 -16.25,-68.25 ; P1.6@19.97,-47.625 19.97,-46.08 22.375,-43.675 37.45,-43.675 39.775,-46 R27.2@47.5,-46 51,-46 59.5,-54.5 R26.2@59.5,-58 59.5,-61.75 51.25,-70 R20.2@47.5,-70 44.25,-70 40.14,-65.89 ; R21.2@35.5,-58 35.5,-61.25 40.14,-65.89 ; -38.75,-68.25 R16.2@-20.25,-68.25 -16.25,-68.25 ; -16.25,-68.25 -2.5,-82 R14.2@0,-82 2.25,-82 17.5,-66.75 R15.2@20.25,-66.75 22.2,-66.75 23.1,-65.85 25.7,-65.85 29.26,-65.85 H7.1@29.3,-65.89 40.14,-65.89
  Bottom Layer w0.254: v2(-6.674,-52.33) -6.014,-52.99 -6.014,-60.663 v2(-6.338,-60.987)
  Bottom Layer w0.381: v2(-6.338,-60.987) -4.1,-60.987 -2.477,-59.364 0.922,-59.364 v2(2.241,-58.045)
  Bottom Layer w0.6: v1(-15.3,-67.8) -15.283,-67.8 -9.244,-61.762 -8.47,-60.987 v2(-6.338,-60.987)
VSET: R44.2 U2.12 | length 4.6
  Top Layer w0.28: R44.2@5.65,5.1 5.675,5.125 6.125,5.125 8.625,7.625 U2.12@9.164,7.625
XC1: C1.1 U1.34 X1.1 | length 8
  Top Layer w0.152: C1.1@-7.759,-47.173 -7.759,-48.401 -7.208,-48.951 -6.09,-48.951 -5.836,-49.206 -5.836,-51.201 -5.264,-51.774 -4.595,-51.774 -4.061,-52.308 U1.34@-4.061,-52.632
XC2: C2.1 U1.35 X1.3 | length 4.7
  Top Layer w0.152: C2.1@-6.759,-50.78 -6.759,-49.824 X1.3@-6.559,-49.624 ; C2.1@-6.751,-50.73 -6.318,-50.73 -6.141,-50.907 -6.141,-51.331 -5.394,-52.078 -4.725,-52.078 -4.461,-52.342 U1.35@-4.461,-52.632
pads on no net: H4.7 H7.7 P1.1 P1.2 P1.3 P1.9 U1.44 U2.2 U2.3 U2.4 U3.1 U4.4 U5.1 U5.7 U5.8 U5.12 U5.13 U5.21 U5.22 U5.23 U5.24 U5.27

## Polygon pours and split planes (outlines as drawn)
GND on Top Layer "MAIN_GROUD_POUR_TOP" (solid, remove dead copper, pour order 27): -67.165,-73.436 cw(c-65.871,-68.607) -70.701,-67.313 -66.819,-52.824 cw(c-47.618,-57.894) -54.793,-39.377 -50,-37.5 -27.5,-37.5 -27.5,-35.257 cw(c-25,-22.5) -34.331,-31.552 -64.665,-23.424 cw(c-62.077,-13.764) -71.736,-11.176 -66.819,7.176 cw(c-47.618,2.106) -54.793,20.623 -50,22.5 50,22.5 54.793,20.623 cw(c47.5,2) 66.819,7.176 71.736,-11.176 cw(c62.077,-13.764) 64.665,-23.424 34.331,-31.552 cw(c25,-22.5) 27.5,-35.257 27.5,-37.5 50,-37.5 54.793,-39.377 cw(c47.5,-58) 66.819,-52.824 70.701,-67.313 cw(c65.871,-68.607) 67.165,-73.436 40.047,-80.703 cw(c39.529,-78.771) 37.592,-79.268 ccw(c25,-82.5) 12.743,-86.833 cw(c10.858,-87.5) 10.858,-89.5 -10.858,-89.5 cw(c-10.858,-87.5) -12.743,-86.833 ccw(c-25,-82.5) -37.592,-79.268 cw(c-39.529,-78.771) -40.047,-80.703
GND on Top Layer "GND_PROT" (solid, pour order 18): -9,14.665 -7.2,14.665 -7.2,14.035 -7.201,14.035 -8.436,12.8 -8.436,11.9 -9.036,11.9 -10,11.9 -10.25,12.15 -10.25,13.325 -9.925,13.65 -9.175,13.65 -9,13.825
CELL- on Top Layer "Top Layer-CELL-" (solid, pour order 17): -21.5,5.1 -11.725,5.1 -11.3,5.525 -11.3,6.975 -10.446,7.829 -10.446,8.575 -10.8,8.575 -12.15,9.925 -12.15,13.025 -11.14,14.035 -11.075,14.035 -11.075,14.665 -13.075,14.665 -13.075,9.475 -12,8.4 -12,7.7 -12.975,6.725 -21.5,6.725
PACK+ on Top Layer "NONET_L02_P-001" (solid, pour order 14): -4.25,1.9 -20.825,1.9 -20.825,3.325 -11.675,3.325 -4.606,3.325
GND on Top Layer "GND_BMS" (solid, pour order 12): 11.739,6.484 12.3,5.924 12.3,4.5 12.9,3.9 13.9,3.9 14.2,4.2 14.2,6.3 13.166,7.334 12.68,7.334 12.439,7.575 11.725,7.575 11.725,7.349 11.739,7.334
NetQ1_5 on Top Layer "ProtecctionDrain" (solid, pour order 10): -12.875,18.125 -12.3,18.7 -7,18.7 -6.55,18.25 -6.55,16.905 -12.875,16.905
PACK+ on Top Layer "PACK+POUR" (solid, pour order 9): 10.519,7.334 10.519,3.719 8.7,1.9 -4.6,1.9 -7.411,4.711 -7.411,6.45 -6.35,6.45 -3.3,3.4 8.3,3.4 9.3,4.4 9.3,6 9.739,6.439 9.739,7.334
SYS on Top Layer "Top Layer-SYS" (solid, pour order 8): 8.1,-1.1 8.5,-1.5 11.5,-1.5 12.225,-0.775 12.225,2.025 12.7,2.5 16.631,2.5 16.639,3.275 12.225,3.275 11.848,3.652 11.848,5.852 11.5,6.2 11.519,6.219 11.519,7.334 10.739,7.334 10.739,2.261 11.3,1.7 11.3,-0.2 11.091,-0.409 8.1,-0.409
SW on Top Layer "NONET_L02_P-001" (solid, pour order 2): 12.689,8.265 13.735,8.265 14.675,7.325 15.689,7.325 15.689,6.425 16.639,5.475 16.639,4.475 14.639,4.475 14.639,6.385 13.539,7.485 12.689,7.485
VBUS on Top Layer "VBUS_POUR" (solid, pour order 1): 2.161,14.739 12.861,14.739 13.539,14.061 13.539,9.985 12.689,9.985 12.689,10.434 12.239,10.434 12.239,12.161 11.761,12.639 -0.6,12.639 -1.9,13.939 -1.9,15.439 -1.9,15.482 -1.9,16.639 -1.14,16.639 -1.14,14.979 -0.9,14.739 0.9,14.739 1.14,14.979 1.14,16.6 1.9,16.6 1.9,15
GND on Bottom Layer "MAIN_GROUND_POUR" (solid, pour order 26): -67.165,-73.436 cw(c-65.871,-68.607) -70.701,-67.313 -66.819,-52.824 cw(c-47.618,-57.894) -54.793,-39.377 -50,-37.5 -27.5,-37.5 -27.5,-35.257 cw(c-25,-22.5) -34.331,-31.552 -64.665,-23.424 cw(c-62.077,-13.764) -71.736,-11.176 -66.819,7.176 cw(c-47.618,2.106) -54.793,20.623 -50,22.5 50,22.5 54.793,20.623 cw(c47.5,2) 66.819,7.176 71.736,-11.176 cw(c62.077,-13.764) 64.665,-23.424 34.331,-31.552 cw(c25,-22.5) 27.5,-35.257 27.5,-37.5 50,-37.5 54.793,-39.377 cw(c47.5,-58) 66.819,-52.824 70.701,-67.313 cw(c65.871,-68.607) 67.165,-73.436 40.047,-80.703 cw(c39.529,-78.771) 37.592,-79.268 ccw(c25,-82.5) 12.743,-86.833 cw(c10.858,-87.5) 10.858,-89.5 -10.858,-89.5 cw(c-10.858,-87.5) -12.743,-86.833 ccw(c-25,-82.5) -37.592,-79.268 cw(c-39.529,-78.771) -40.047,-80.703
PACK+ on Bottom Layer "NONET_L02_P-001" (solid, pour order 24): -20,1.9 -33.525,1.9 -36.55,-1.125 -43.85,-1.125 -43.85,0.6 -37.15,0.6 -34.425,3.325 -20,3.325
CELL- on Bottom Layer "NONET_L02_P-001" (solid, pour order 23): -20.6,6.725 -20.6,5.1 -36.141,5.1 -39.966,1.275 -43.875,1.275 -43.875,3.15 -40.6,3.15 -37.025,6.725

## Keep-outs
Keep-Out Layer:
  lines w0.2: -71.736,-11.176 ccw(c-62.077,-13.764) -64.665,-23.424 -34.331,-31.552 ccw(c-25,-22.5) -27.5,-35.257 -27.5,-37.5 -50,-37.5 -54.793,-39.377 ccw(c-47.618,-57.894) -66.819,-52.824 -70.701,-67.313 ccw(c-65.871,-68.607) -67.165,-73.436 -40.047,-80.703 ccw(c-39.529,-78.771) -37.592,-79.268 cw(c-25,-82.5) -12.743,-86.833 ccw(c-10.858,-87.5) -10.858,-89.5 10.858,-89.5 ccw(c10.858,-87.5) 12.743,-86.833 cw(c25,-82.5) 37.592,-79.268 ccw(c39.529,-78.771) 40.047,-80.703 67.165,-73.436 ccw(c65.871,-68.607) 70.701,-67.313 66.819,-52.824 ccw(c47.5,-58) 54.793,-39.377 50,-37.5 27.5,-37.5 27.5,-35.257 ccw(c25,-22.5) 34.331,-31.552 64.665,-23.424 ccw(c62.077,-13.764) 71.736,-11.176 66.819,7.176 ccw(c47.5,2) 54.793,20.623 50,22.5 25,22.5 -50,22.5 -54.793,20.623 ccw(c-47.618,2.106) -66.819,7.176 -71.736,-11.176 ; -22.5,-37.5 -22.5,-35.257 ccw(c-25,-22.5) -14.046,-29.5 14.046,-29.5 ccw(c25,-22.5) 22.5,-35.257 22.5,-37.5 -22.5,-37.5

## Other copper
Top Layer:
  region net ANT: 15.887,-39.599 15.887,-38.329 15.125,-38.329 15.125,-39.599
  pour cut-out: 19.675,-62.15 19.675,-62.85 20.9,-62.85 20.9,-62.15
  pour cut-out: 21.725,-58.175 21.725,-57.55 22.35,-57.55 22.837,-58.037 22.837,-58.738 22.425,-59.15 21.5,-58.225 21.5,-57.575 22.025,-57.575 22.075,-57.625
  pour cut-out: 22.675,-53.625 22.675,-54.825 23.25,-54.825 23.25,-53.625
  pour cut-out: -14.4,-60.15 -17.25,-57.3 -17.25,-56.25 -14.625,-56.25 -14.525,-56.35 -14.4,-56.35
  pour cut-out: -19.975,-44.55 -22.5,-42.025 -22.5,-37.5 22.5,-37.5 22.5,-42.025 19.975,-44.55
  pour cut-out: -1.061,-49.942 -1.061,-52.685 -3.956,-52.685 -3.956,-49.942
Bottom Layer:
  pour cut-out: -19.975,-44.55 -22.5,-42.025 -22.5,-37.5 22.5,-37.5 22.5,-42.025 19.975,-44.55

## Silkscreen, mask and mechanical layers (free items; w line width, h text height)
Top Overlay:
  text "SDA" at 31.827,11.627 h0.64
  text "GND" at -33.673,11.552 h0.64
  text "SCL" at 31.802,9.177 h0.64
  text "INT" at 31.877,6.502 h0.64
  text "STAT" at -34.348,6.477 h0.64
  text "PG" at -33.148,4.027 h0.64
  text "RESET" at 31.877,3.927 h0.64
  text "X-AXIS" at -35.523,1.402 h0.64
  text "X-AXIS" at 31.702,1.352 h0.64
  text "Y-AXIS" at 31.702,-1.123 h0.64
  text "Y-AXIS" at -35.473,-1.148 h0.64
  text "SW" at -33.098,-3.723 h0.64
  text "SW" at 31.777,-3.723 h0.64
  text "GND" at 31.752,-6.173 h0.64
  text "3V3" at -33.623,-6.273 h0.64
  text "JLCJLCJLCJLC" at 22.002,-18.048 h0.64
  text "Martin Moldsvor" at -9.625,-26.05 h1.25
  text "BLE HID Gamepad Rev. 1" at -9.625,-27.817 h1
  text "SDA" at -33.573,-48.398 h0.64
  text "GND" at 31.977,-48.398 h0.64
  text "SCL" at -33.498,-50.948 h0.64
  text "INT" at -33.273,-53.523 h0.64
  text "STAT" at 31.952,-53.548 h0.64
  text "RESET" at -34.423,-56.073 h0.64
  text "PG" at 32.027,-56.098 h0.64
  text "X-AX" at 32.027,-58.573 h0.64
  text "X-AX" at -33.773,-58.598 h0.64
  text "Y-AX" at 32.027,-61.073 h0.64
  text "Y-AX" at -33.723,-61.248 h0.64
  text "SW" at -32.923,-63.623 h0.64
  text "SW" at 31.977,-63.723 h0.64
  text "3V3" at 31.977,-66.073 h0.64
  text "GND" at -33.423,-66.198 h0.64
Bottom Overlay:
  text "Martin Moldsvor" at 10.868,-39.775 h1.25
  text "BLE HID Gamepad Rev. 1" at 10.868,-41.542 h1
Mechanical 1:
  circle w0.2: c-25,-22.5 r2.5
  circle w0.2: c25,-22.5 r2.5
  circle w0.2: c-27.5,3 r2.5
  circle w0.2: c27.5,3 r2.5
  circle w0.2: c-47.618,-68.894 r2.5
  circle w0.2: c-47.618,-46.894 r2.5
  circle w0.2: c-66.797,-9.141 r2.283
  circle w0.2: c-27.5,-57 r2.5
  circle w0.2: c27.5,-57 r2.5
  circle w0.2: c35,18 r2.5
  circle w0.2: c-35,18 r2.5
  circle w0.2: c-17.5,-59 r2.5
  circle w0.2: c0,-76 r2.5
  circle w0.2: c17.5,-59 r2.5
  circle w0.2: c66.797,-9.141 r2.283
  circle w0.2: c-36.618,-57.894 r2.5
  circle w0.2: c-58.618,-57.894 r2.5
  circle w0.2: c56.25,-58 r2.5
  circle w0.2: c38.75,-58 r2.5
  circle w0.2: c47.5,-66.75 r2.5
  circle w0.2: c47.5,-49.25 r2.5
Mechanical 29:
  text "CUTOUT" at -7.6,-35.15 h3